# KiCad board Ashwing66_cut.kicad_pcb
title: Ashwing66; date: 2024-05-09; rev: 1; company: James Gzowski
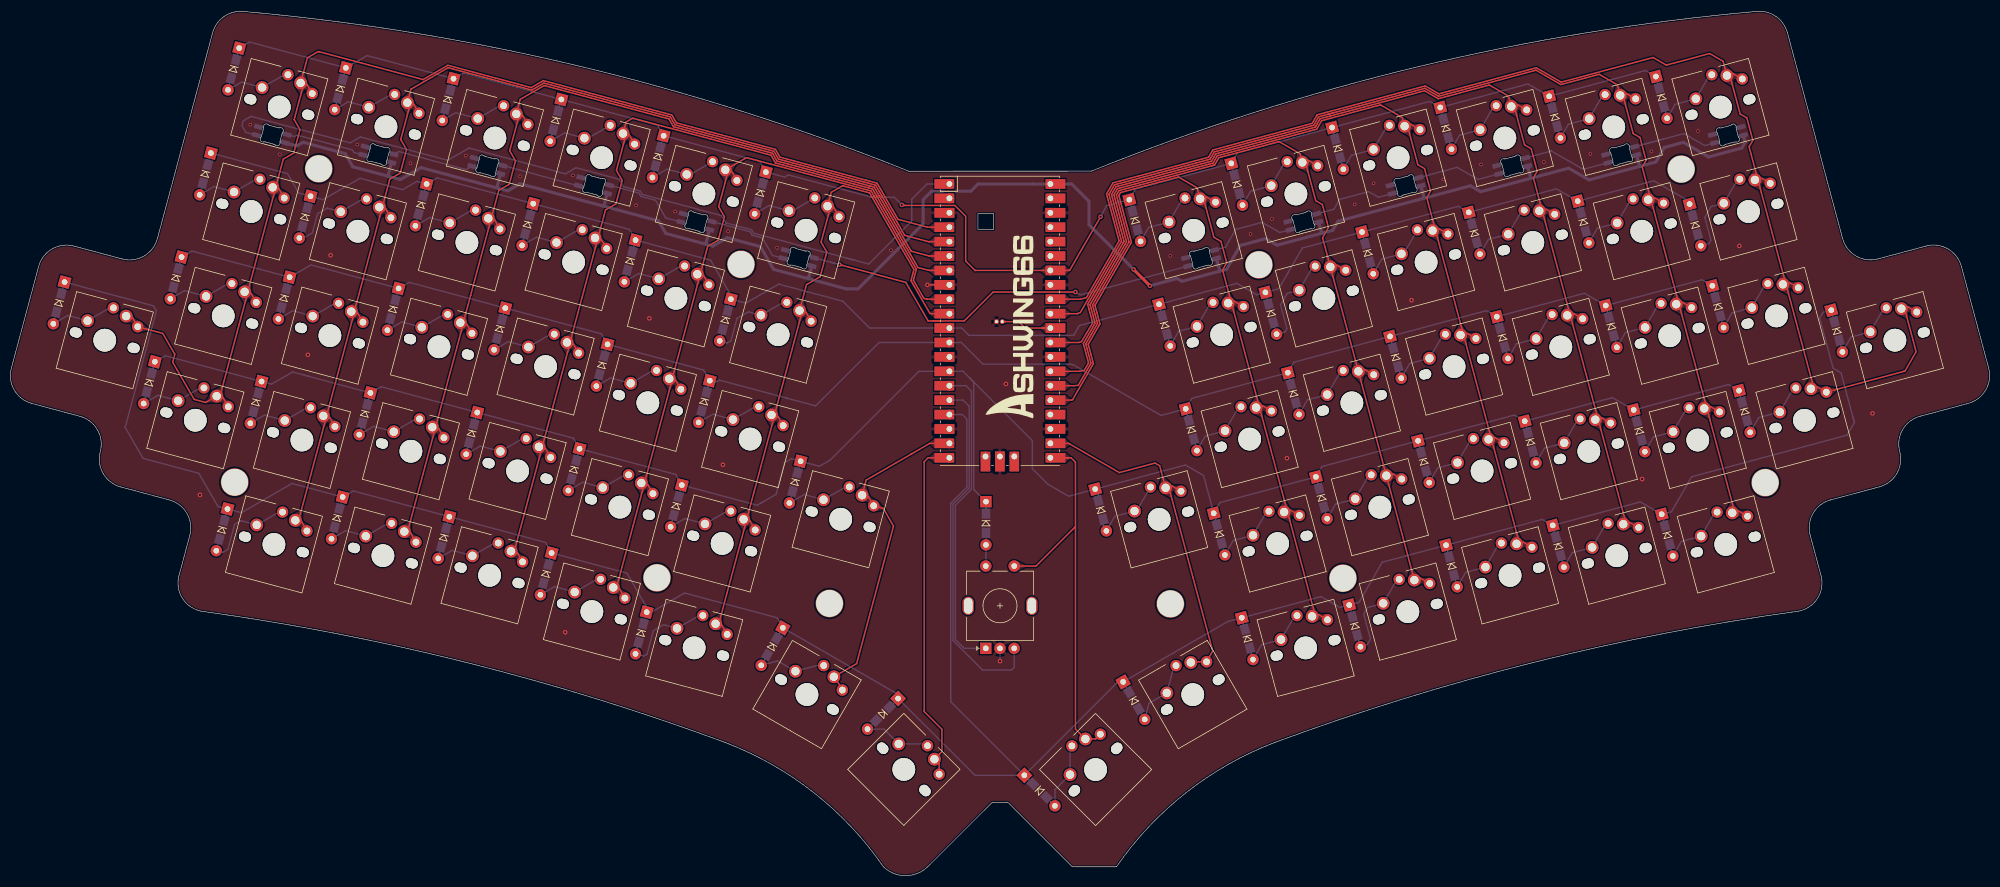
[diagram p0: board, top side]
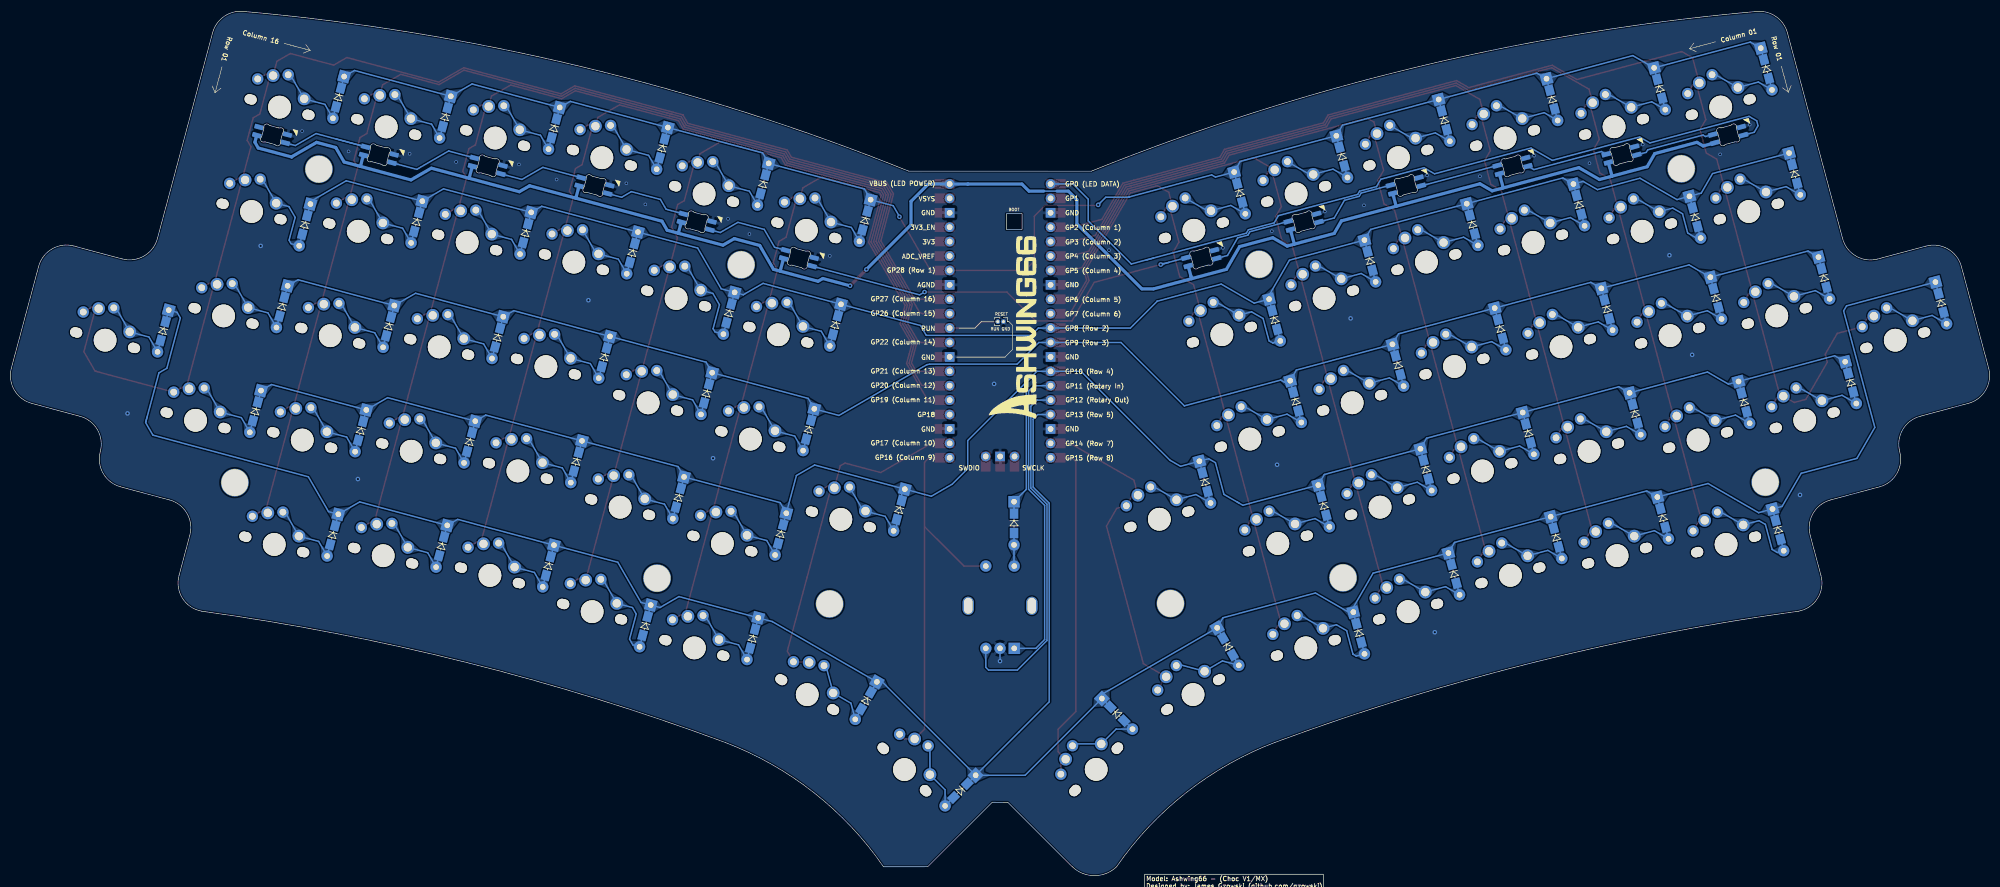
[diagram p1: board, bottom side, seen from below]

Outline 348.26 x 152.34 mm; copper layers: Top, Bottom. Coordinates in mm from the lower left corner of the outline.
Outline path: 170.24,116.68 173.01,116.68 173.01,113.91 170.24,113.91 closed ; 0,89.46 4.8,107.37 arc(7.17,110.46) 11.02,110.97 19.5,108.7 arc(23.36,109.2) 25.73,112.29 35.44,148.55 arc(37.42,151.4) 40.77,152.33 arc(100.45,142.58) 158.05,124.17 190.2,124.18 arc(247.81,142.59) 307.5,152.34 arc(310.84,151.42) 312.82,148.57 322.54,112.3 arc(324.9,109.22) 328.76,108.71 337.24,110.98 arc(341.09,110.47) 343.46,107.39 348.26,89.47 arc(347.76,85.62) 344.67,83.25 336.19,80.97 arc(333.11,78.61) 332.6,74.75 arc(332.09,70.9) 329.01,68.53 320.42,66.23 arc(317.34,63.86) 316.83,60.01 318.74,52.89 arc(318.11,48.87) 314.72,46.61 arc(267.99,37.56) 222.53,23.48 arc(206.92,14.64) 194.65,1.56 186.87,1.57 175.5,12.94 172.76,12.93 161.39,1.56 arc(157.5,0) 153.61,1.55 arc(141.34,14.63) 125.74,23.47 arc(80.27,37.54) 33.54,46.6 arc(30.15,48.86) 29.53,52.88 31.43,60 arc(30.93,63.85) 27.84,66.22 19.25,68.52 arc(16.17,70.89) 15.66,74.74 arc(15.15,78.6) 12.07,80.96 3.59,83.24 arc(0.51,85.6) 0,89.46
Stack: Top 0.035mm / dielectric 1.51mm FR4 er 4.5 / Bottom 0.035mm

## Placement (name value [footprint] x y rotation side)
D0  D  [Diode_THT_SOD123F_FIXED4]  39.15 142.18 255 bottom
D1  D  [Diode_THT_SOD123F_FIXED4]  57.94 138.7 255 bottom
D2  D  [Diode_THT_SOD123F_FIXED4]  76.89 136.79 255 bottom
D3  D  [Diode_THT_SOD123F_FIXED4]  95.89 133.13 255 bottom
D4  D  [Diode_THT_SOD123F_FIXED4]  113.9 126.74 255 bottom
D5  D  [Diode_THT_SOD123F_FIXED4]  131.91 120.34 255 bottom
D6  D  [Diode_THT_SOD123F_FIXED4]  197.9 115.47 285 bottom
D7  D  [Diode_THT_SOD123F_FIXED4]  215.86 121.86 285 bottom
D8  D  [Diode_THT_SOD123F_FIXED4]  233.62 128.19 285 bottom
D9  D  [Diode_THT_SOD123F_FIXED4]  252.66 131.72 285 bottom
D10  D  [Diode_THT_SOD123F_FIXED4]  271.85 133.7 285 bottom
D11  D  [Diode_THT_SOD123F_FIXED4]  290.64 137.18 285 bottom
D16  D  [Diode_THT_SOD123F_FIXED4]  34.16 123.68 255 bottom
D17  D  [Diode_THT_SOD123F_FIXED4]  51.71 116.07 255 bottom
D18  D  [Diode_THT_SOD123F_FIXED4]  72.15 118.23 255 bottom
D19  D  [Diode_THT_SOD123F_FIXED4]  90.94 114.76 255 bottom
D20  D  [Diode_THT_SOD123F_FIXED4]  108.95 108.34 255 bottom
D21  D  [Diode_THT_SOD123F_FIXED4]  125.75 97.94 255 bottom
D22  D  [Diode_THT_SOD123F_FIXED4]  203.12 97.04 285 bottom
D23  D  [Diode_THT_SOD123F_FIXED4]  221.86 99.13 285 bottom
D24  D  [Diode_THT_SOD123F_FIXED4]  238.89 109.76 285 bottom
D25  D  [Diode_THT_SOD123F_FIXED4]  257.68 113.24 285 bottom
D26  D  [Diode_THT_SOD123F_FIXED4]  276.87 115.21 285 bottom
D27  D  [Diode_THT_SOD123F_FIXED4]  296.58 114.69 285 bottom
D32  D  [Diode_THT_SOD123F_FIXED4]  8.38 100.95 255 bottom
D32#2  D  [Diode_THT_SOD123F_FIXED4]  138.03 69.37 255 bottom
D32#3  D  [Diode_THT_SOD123F_FIXED4]  28.99 105.35 255 bottom
D33  D  [Diode_THT_SOD123F_FIXED4]  48.02 101.8 255 bottom
D34  D  [Diode_THT_SOD123F_FIXED4]  67.22 99.83 255 bottom
D35  D  [Diode_THT_SOD123F_FIXED4]  86.01 96.36 255 bottom
D36  D  [Diode_THT_SOD123F_FIXED4]  104.02 89.97 255 bottom
D37  D  [Diode_THT_SOD123F_FIXED4]  122.03 83.56 255 bottom
D38  D  [Diode_THT_SOD123F_FIXED4]  207.83 78.6 285 bottom
D39  D  [Diode_THT_SOD123F_FIXED4]  225.81 84.97 285 bottom
D40  D  [Diode_THT_SOD123F_FIXED4]  243.82 91.36 285 bottom
D41  D  [Diode_THT_SOD123F_FIXED4]  262.61 94.84 285 bottom
D42  D  [Diode_THT_SOD123F_FIXED4]  281.8 96.81 285 bottom
D43  D  [Diode_THT_SOD123F_FIXED4]  300.59 100.29 285 bottom
D44  D  [Diode_THT_SOD123F_FIXED4]  191.88 64.45 285 bottom
D44#2  D  [Diode_THT_SOD123F_FIXED4]  321.53 96 285 bottom
D48  D  [Diode_THT_SOD123F_FIXED4]  24.29 86.9 255 bottom
D49  D  [Diode_THT_SOD123F_FIXED4]  43.08 83.42 255 bottom
D50  D  [Diode_THT_SOD123F_FIXED4]  62.26 81.41 255 bottom
D51  D  [Diode_THT_SOD123F_FIXED4]  81.08 77.96 255 bottom
D52  D  [Diode_THT_SOD123F_FIXED4]  99.09 71.57 255 bottom
D53  D  [Diode_THT_SOD123F_FIXED4]  117.1 65.16 255 bottom
D54  D  [Diode_THT_SOD123F_FIXED4]  212.76 60.2 285 bottom
D55  D  [Diode_THT_SOD123F_FIXED4]  230.76 66.6 285 bottom
D56  D  [Diode_THT_SOD123F_FIXED4]  248.75 72.96 285 bottom
D57  D  [Diode_THT_SOD123F_FIXED4]  267.54 76.43 285 bottom
D58  D  [Diode_THT_SOD123F_FIXED4]  286.73 78.41 285 bottom
D59  D  [Diode_THT_SOD123F_FIXED4]  305.28 81.82 285 bottom
D64  D  [Diode_THT_SOD123F_FIXED4]  37.08 60.95 255 bottom
D65  D  [Diode_THT_SOD123F_FIXED4]  57.37 63.05 255 bottom
D66  D  [Diode_THT_SOD123F_FIXED4]  76.16 59.59 255 bottom
D67  D  [Diode_THT_SOD123F_FIXED4]  94.17 53.19 255 bottom
D68  D  [Diode_THT_SOD123F_FIXED4]  110.92 42.77 255 bottom
D69  D  [Diode_THT_SOD123F_FIXED4]  133.98 40.38 240 bottom
D69#2  D  [Diode_THT_SOD123F_FIXED4]  153.49 28.53 225 bottom
D69#3  D  [Diode_THT_SOD123F_FIXED4]  171.66 62.11 270 bottom
D70  D  [Diode_THT_SOD123F_FIXED4]  197.72 30.85 300 bottom
D70#2  D  [Diode_THT_SOD123F_FIXED4]  181.11 15 315 bottom
D71  D  [Diode_THT_SOD123F_FIXED4]  217.71 41.77 285 bottom
D72  D  [Diode_THT_SOD123F_FIXED4]  236.63 44.02 285 bottom
D73  D  [Diode_THT_SOD123F_FIXED4]  253.68 54.58 285 bottom
D74  D  [Diode_THT_SOD123F_FIXED4]  272.47 58.06 285 bottom
D75  D  [Diode_THT_SOD123F_FIXED4]  291.66 60.02 285 bottom
G***  -  [LOGO]  176.08 96.64 90 top
G***#2  -  [LOGO]  171.64 96.56 90 bottom
K0  Blank  [SW_Cherry_Choc5_MX_1.00u_PCB_LED]  50.96 139.72 345 top
K1  Blank  [SW_Cherry_Choc5_MX_1.00u_PCB_LED_3D2_MX#2]  69.75 136.24 345 top
K2  Blank  [SW_Cherry_Choc5_MX_1.00u_PCB_LED_3D2_MX#2]  88.94 134.26 345 top
K3  Blank  [SW_Cherry_Choc5_MX_1.00u_PCB_LED_3D2_MX#2]  107.73 130.8 345 top
K4  Blank  [SW_Cherry_Choc5_MX_1.00u_PCB_LED_3D2_MX#2]  125.75 124.41 345 top
K5  Blank  [SW_Cherry_Choc5_MX_1.00u_PCB_LED_3D2_MX#2]  143.75 118 345 top
K6  Blank  [SW_Cherry_Choc5_MX_1.00u_PCB_LED_3D2_MX]  209.38 119.31 15 top
K7  Blank  [SW_Cherry_Choc5_MX_1.00u_PCB_LED_3D2_MX]  227.39 125.71 15 top
K8  Blank  [SW_Cherry_Choc5_MX_1.00u_PCB_LED_3D2_MX]  245.39 132.1 15 top
K9  Blank  [SW_Cherry_Choc5_MX_1.00u_PCB_LED_3D2_MX]  264.19 135.57 15 top
K10  Blank  [SW_Cherry_Choc5_MX_1.00u_PCB_LED_3D2_MX]  283.37 137.53 15 top
K11  Blank  [SW_Cherry_Choc5_MX_1.00u_PCB_LED_3D2_MX]  302.17 141.03 15 top
K16  Blank  [SW_Cherry_Choc5_MX_1.00u_PCB]  46.02 121.31 345 top
K17  Blank  [SW_Cherry_Choc5_MX_1.00u_PCB_3D#2]  64.81 117.83 345 top
K18  Blank  [SW_Cherry_Choc5_MX_1.00u_PCB_3D#2]  84 115.86 345 top
K19  Blank  [SW_Cherry_Choc5_MX_1.00u_PCB_3D#2]  102.8 112.4 345 top
K20  Blank  [SW_Cherry_Choc5_MX_1.00u_PCB_3D#2]  120.82 106.01 345 top
K21  Blank  [SW_Cherry_Choc5_MX_1.00u_PCB_3D#2]  138.82 99.6 345 top
K22  Blank  [SW_Cherry_Choc5_MX_1.00u_PCB_3D]  214.31 100.91 15 top
K23  Blank  [SW_Cherry_Choc5_MX_1.00u_PCB_3D]  232.32 107.3 15 top
K24  Blank  [SW_Cherry_Choc5_MX_1.00u_PCB_3D]  250.32 113.7 15 top
K25  Blank  [SW_Cherry_Choc5_MX_1.00u_PCB_3D]  269.12 117.17 15 top
K26  Blank  [SW_Cherry_Choc5_MX_1.00u_PCB_3D]  288.31 119.15 15 top
K27  Blank  [SW_Cherry_Choc5_MX_1.00u_PCB_3D]  307.1 122.63 15 top
K32  Blank  [SW_Cherry_Choc5_MX_1.00u_PCB_3D#2]  41.09 102.91 345 top
K33  Blank  [SW_Cherry_Choc5_MX_1.00u_PCB_3D#2]  59.88 99.43 345 top
K34  Blank  [SW_Cherry_Choc5_MX_1.00u_PCB_3D#2]  79.08 97.47 345 top
K35  Blank  [SW_Cherry_Choc5_MX_1.00u_PCB_3D#2]  97.86 93.99 345 top
K36  Blank  [SW_Cherry_Choc5_MX_1.00u_PCB_3D#2]  115.88 87.6 345 top
K37  Blank  [SW_Cherry_Choc5_MX_1.00u_PCB_3D#2]  133.89 81.2 345 top
K38  Blank  [SW_Cherry_Choc5_MX_1.00u_PCB_3D]  219.24 82.51 15 top
K39  Blank  [SW_Cherry_Choc5_MX_1.00u_PCB_3D]  237.25 88.9 15 top
K40  Blank  [SW_Cherry_Choc5_MX_1.00u_PCB_3D]  255.25 95.29 15 top
K41  Blank  [SW_Cherry_Choc5_MX_1.00u_PCB_3D]  274.05 98.76 15 top
K42  Blank  [SW_Cherry_Choc5_MX_1.00u_PCB_3D]  293.23 100.73 15 top
K43  Blank  [SW_Cherry_Choc5_MX_1.00u_PCB_3D]  312.03 104.23 15 top
K44  Blank  [SW_Cherry_Choc5_MX_1.00u_PCB_3D]  203.3 68.36 15 top
K44#2  Blank  [SW_Cherry_Choc5_MX_1.00u_PCB_3D]  332.89 99.95 15 top
K48  Blank  [SW_Cherry_Choc5_MX_1.00u_PCB_3D#2]  36.16 84.52 345 top
K49  Blank  [SW_Cherry_Choc5_MX_1.00u_PCB_3D#2]  54.94 81.03 345 top
K50  Blank  [SW_Cherry_Choc5_MX_1.00u_PCB_3D#2]  74.14 79.06 345 top
K51  Blank  [SW_Cherry_Choc5_MX_1.00u_PCB_3D#2]  92.93 75.59 345 top
K52  Blank  [SW_Cherry_Choc5_MX_1.00u_PCB_3D#2]  110.96 69.2 345 top
K53  Blank  [SW_Cherry_Choc5_MX_1.00u_PCB_3D#2]  128.96 62.8 345 top
K54  Blank  [SW_Cherry_Choc5_MX_1.00u_PCB_3D]  224.17 64.09 15 top
K55  Blank  [SW_Cherry_Choc5_MX_1.00u_PCB_3D]  242.18 70.51 15 top
K56  Blank  [SW_Cherry_Choc5_MX_1.00u_PCB_3D]  260.18 76.9 15 top
K57  Blank  [SW_Cherry_Choc5_MX_1.00u_PCB_3D]  278.98 80.37 15 top
K58  Blank  [SW_Cherry_Choc5_MX_1.00u_PCB_3D]  298.17 82.34 15 top
K59  Blank  [SW_Cherry_Choc5_MX_1.00u_PCB_3D]  316.96 85.82 15 top
K60  Blank  [SW_Cherry_Choc5_MX_1.00u_PCB_3D#2]  149.84 67.07 345 top
K60#2  Blank  [SW_Cherry_Choc5_MX_1.00u_PCB_3D#2]  20.22 98.63 345 top
K64  Blank  [SW_Cherry_Choc5_MX_1.00u_PCB_3D#2]  50.01 62.63 345 top
K65  Blank  [SW_Cherry_Choc5_MX_1.00u_PCB_3D#2]  69.21 60.65 345 top
K66  Blank  [SW_Cherry_Choc5_MX_1.00u_PCB_3D#2]  88 57.19 345 top
K67  Blank  [SW_Cherry_Choc5_MX_1.00u_PCB_3D#2]  106.02 50.79 345 top
K68  Blank  [SW_Cherry_Choc5_MX_1.00u_PCB_3D#2]  124.03 44.4 345 top
K69  Blank  [SW_Cherry_Choc5_MX_1.00u_PCB_3D]  162.58 20.53 315 top
K69#2  Blank  [SW_Cherry_Choc5_MX_1.00u_PCB_3D]  144.87 35.05 330 top
K70  Blank  [SW_Cherry_Choc5_MX_1.00u_PCB_3D]  189.17 24.09 45 top
K70#2  Blank  [SW_Cherry_Choc5_MX_1.00u_PCB_3D]  207.74 37.58 30 top
K71  Blank  [SW_Cherry_Choc5_MX_1.00u_PCB_3D]  229.1 45.71 15 top
K72  Blank  [SW_Cherry_Choc5_MX_1.00u_PCB_3D]  247.11 52.1 15 top
K73  Blank  [SW_Cherry_Choc5_MX_1.00u_PCB_3D]  265.11 58.48 15 top
K74  Blank  [SW_Cherry_Choc5_MX_1.00u_PCB_3D]  283.91 61.96 15 top
K75  Blank  [SW_Cherry_Choc5_MX_1.00u_PCB_3D]  303.1 63.94 15 top
pico  -  [RPi_Pico_SMD_TH]  174.11 97.79 0 top
RESET  -  [PinHeader_1x02_P1.00mm_Vertical]  173.52 97.65 270 bottom
RotEnc  -  [RotaryEncoder_EC11]  174.13 47.57 90 top
TH3  HOLE  [HOLE_M2_TH]  144.1 47.98 0 top
TH3#2  HOLE  [HOLE_M2_TH]  113.71 52.5 0 top
TH3#3  HOLE  [HOLE_M2_TH]  128.51 107.75 0 top
TH3#4  HOLE  [HOLE_M2_TH]  54.14 124.6 0 top
TH3#5  HOLE  [HOLE_M2_TH]  39.34 69.35 0 top
TH3#6  HOLE  [HOLE_M2_TH]  308.91 69.28 180 bottom
TH3#7  HOLE  [HOLE_M2_TH]  219.73 107.68 180 bottom
TH3#8  HOLE  [HOLE_M2_TH]  294.1 124.53 180 bottom
TH3#9  HOLE  [HOLE_M2_TH]  204.14 47.91 180 bottom
TH3#10  HOLE  [HOLE_M2_TH]  234.53 52.43 180 bottom

## Library data of the parts
D0-D11 D16-D27 D32#3 D33-D43 D44#2 D48-D59 D64-D75 = -: ki_fp_filters: TO-???* *_Diode_* *SingleDiode* D_*
K0-K11 K69 K69#2 K70 K70#2 = -: Field4: 1

## Footprints (pads in the part's own frame, mm; a bottom-side part is the same pattern mirrored in y, then rotated)
Diode_THT_SOD123F_FIXED4
  rect 2x2 hole 1: 1(-3.81,0)
  rect 1.8x1.5 smd: 1(-1.7,0) 2(1.7,0)
  round 1.999 hole 1: 2(3.81,0)
HOLE_M2_TH
  round 4.9 hole 4.7: (0,0)
PinHeader_1x02_P1.00mm_Vertical
  round 0.85 hole 0.5: 1(0,0) 2(0,-1)
RotaryEncoder_EC11
  oval 3.2x2 hole 2.8x1.5 unplated: (0,5.6) (0,-5.6)
  rect 2x2 hole 1: A(-7.5,2.5)
  round 2 hole 1: B(-7.5,-2.5) C(-7.5,0) ROTIN(7,2.5) S1(7,-2.5)
RPi_Pico_SMD_TH
  oval 1.7x1.7 hole 1.02: 1(-8.89,24.13) 2(-8.89,21.59) 4(-8.89,16.51) 5(-8.89,13.97) 6(-8.89,11.43) 7(-8.89,8.89) 9(-8.89,3.81) 10(-8.89,1.27) 11(-8.89,-1.27) 12(-8.89,-3.81) 14(-8.89,-8.89) 15(-8.89,-11.43) 16(-8.89,-13.97) 17(-8.89,-16.51) 19(-8.89,-21.59) 20(-8.89,-24.13) 21(8.89,-24.13) 22(8.89,-21.59) 24(8.89,-16.51) 25(8.89,-13.97) 26(8.89,-11.43) 27(8.89,-8.89) 29(8.89,-3.81) 30(8.89,-1.27) 31(8.89,1.27) 32(8.89,3.81) 34(8.89,8.89) 35(8.89,11.43) 36(8.89,13.97) 37(8.89,16.51) 39(8.89,21.59) 40(8.89,24.13) 41(-2.54,-23.9) 43(2.54,-23.9)
  rect 3.5x1.7 smd: 1(-8.89,24.13) 2(-8.89,21.59) 3(-8.89,19.05) 4(-8.89,16.51) 5(-8.89,13.97) 6(-8.89,11.43) 7(-8.89,8.89) 8(-8.89,6.35) 9(-8.89,3.81) 10(-8.89,1.27) 11(-8.89,-1.27) 12(-8.89,-3.81) 13(-8.89,-6.35) 14(-8.89,-8.89) 15(-8.89,-11.43) 16(-8.89,-13.97) 17(-8.89,-16.51) 18(-8.89,-19.05) 19(-8.89,-21.59) 20(-8.89,-24.13) 21(8.89,-24.13) 22(8.89,-21.59) 23(8.89,-19.05) 24(8.89,-16.51) 25(8.89,-13.97) 26(8.89,-11.43) 27(8.89,-8.89) 28(8.89,-6.35) 29(8.89,-3.81) 30(8.89,-1.27) 31(8.89,1.27) 32(8.89,3.81) 33(8.89,6.35) 34(8.89,8.89) 35(8.89,11.43) 36(8.89,13.97) 37(8.89,16.51) 38(8.89,19.05) 39(8.89,21.59) 40(8.89,24.13)
  rect 1.7x1.7 hole 1.02: 3(-8.89,19.05) 8(-8.89,6.35) 13(-8.89,-6.35) 18(-8.89,-19.05) 23(8.89,-19.05) 28(8.89,-6.35) 33(8.89,6.35) 38(8.89,19.05) 42(0,-23.9)
  rect 1.7x3.5 smd: 41(-2.54,-23.9) 42(0,-23.9) 43(2.54,-23.9)
SW_Cherry_Choc5_MX_1.00u_PCB
  round 1.7 hole 1.7 unplated: (-8.04,-5.08) (2.96,-5.08)
  round 1.75 hole 1.75 unplated: (-7.62,-5.08) (2.54,-5.08)
  round 4 hole 4 unplated: (-2.54,-5.08)
  round 2.25 hole 1.47: 1(0,0)
  round 2 hole 1.2: 1(2.46,-1.28) 2(-2.54,0.82)
  oval 2.25x2.25 hole 1.47: 2(-6.35,-2.54)
SW_Cherry_Choc5_MX_1.00u_PCB_3D
  round 1.7 hole 1.7 unplated: (-8.04,-5.08) (2.96,-5.08)
  round 1.75 hole 1.75 unplated: (-7.62,-5.08) (2.54,-5.08)
  round 4 hole 4 unplated: (-2.54,-5.08)
  round 2.25 hole 1.47: 1(0,0)
  round 2 hole 1.2: 1(2.46,-1.28) 2(-2.54,0.82)
  oval 2.25x2.25 hole 1.47: 2(-6.35,-2.54)
SW_Cherry_Choc5_MX_1.00u_PCB_3D#2
  round 1.7 hole 1.7 unplated: (-8.04,-5.08) (2.96,-5.08)
  round 1.75 hole 1.75 unplated: (-7.62,-5.08) (2.54,-5.08)
  round 4 hole 4 unplated: (-2.54,-5.08)
  round 2.25 hole 1.47: 1(0,0)
  round 2 hole 1.2: 1(2.46,-1.28) 2(-2.54,0.82)
  oval 2.25x2.25 hole 1.47: 2(-6.35,-2.54)
SW_Cherry_Choc5_MX_1.00u_PCB_LED
  round 1.7 hole 1.7 unplated: (-8.04,-5.08) (2.96,-5.08)
  round 1.75 hole 1.75 unplated: (-7.62,-5.08) (2.54,-5.08)
  round 4 hole 4 unplated: (-2.54,-5.08)
  round 2.25 hole 1.47: 1(0,0)
  rrect 1.6x0.82 smd far side: 1(0.055,-10.905) 2(0.055,-9.405) 3(-5.145,-9.405) 4(-5.145,-10.905)
  round 2 hole 1.2: 1(2.46,-1.28) 2(-2.54,0.82)
  oval 2.25x2.25 hole 1.47: 2(-6.35,-2.54)
SW_Cherry_Choc5_MX_1.00u_PCB_LED_3D2_MX
  round 1.7 hole 1.7 unplated: (-8.04,-5.08) (2.96,-5.08)
  round 1.75 hole 1.75 unplated: (-7.62,-5.08) (2.54,-5.08)
  round 4 hole 4 unplated: (-2.54,-5.08)
  round 2.25 hole 1.47: 1(0,0)
  rrect 1.6x0.82 smd far side: 1(0.055,-10.905) 2(0.055,-9.405) 3(-5.145,-9.405) 4(-5.145,-10.905)
  round 2 hole 1.2: 1(2.46,-1.28) 2(-2.54,0.82)
  oval 2.25x2.25 hole 1.47: 2(-6.35,-2.54)
SW_Cherry_Choc5_MX_1.00u_PCB_LED_3D2_MX#2
  round 1.7 hole 1.7 unplated: (-8.04,-5.08) (2.96,-5.08)
  round 1.75 hole 1.75 unplated: (-7.62,-5.08) (2.54,-5.08)
  round 4 hole 4 unplated: (-2.54,-5.08)
  round 2.25 hole 1.47: 1(0,0)
  rrect 1.6x0.82 smd far side: 1(0.055,-10.905) 2(0.055,-9.405) 3(-5.145,-9.405) 4(-5.145,-10.905)
  round 2 hole 1.2: 1(2.46,-1.28) 2(-2.54,0.82)
  oval 2.25x2.25 hole 1.47: 2(-6.35,-2.54)

## Nets
3V3: pico.36
3V3EN: pico.37
GND: K0.3 K1.3 K2.3 K3.3 K4.3 K5.3 K6.3 K7.3 K8.3 K9.3 K10.3 K11.3 pico.3 pico.8 pico.13 pico.18 pico.23 pico.28 pico.33 pico.38 pico.42 RESET.1 RotEnc.C
VBUS: pico.40
Col_0: K16.1 K32.1 K48.1 K60#2.1 pico.4
Col_0|VBUS: K0.1
Col_1: K17.1 K33.1 K49.1 K64.1 pico.5
Col_1|VBUS: K1.1
Col_2: K18.1 K34.1 K50.1 K65.1 pico.6
Col_2|VBUS: K2.1
Col_3: K19.1 K35.1 K51.1 K66.1 pico.7
Col_3|VBUS: K3.1
Col_4: K20.1 K36.1 K52.1 K67.1 pico.9
Col_4|VBUS: K4.1
Col_5: K21.1 K37.1 K53.1 K68.1 pico.10
Col_5|VBUS: K5.1
Col_6: K60.1 K69#2.1 pico.19
Col_7: K69.1 pico.20
Col_8: K70.1 pico.21 RotEnc.S1
Col_9: K44.1 K70#2.1 pico.22
Col_10: K22.1 K38.1 K54.1 K71.1 pico.25
Col_10|VBUS: K6.1
Col_11: K23.1 K39.1 K55.1 K72.1 pico.26
Col_11|VBUS: K7.1
Col_12: K24.1 K40.1 K56.1 K73.1 pico.27
Col_12|VBUS: K8.1
Col_13: K25.1 K41.1 K57.1 K74.1 pico.29
Col_13|VBUS: K9.1
Col_14: K26.1 K42.1 K58.1 K75.1 pico.31
Col_14|VBUS: K10.1
Col_15: K27.1 K43.1 K44#2.1 K59.1 pico.32
Col_15|VBUS: K11.1
LED1: K0.4 pico.1
LED2: K1.4
LED2|Net-(D0-A): K0.2
LED3: K2.4
LED3|Net-(D1-A): K1.2
LED4: K3.4
LED4|Net-(D2-A): K2.2
LED5: K4.4
LED5|Net-(D3-A): K3.2
LED6: K5.4
LED6|Net-(D4-A): K4.2
LED7: K6.4
LED7|Net-(D5-A): K5.2
LED8: K7.4
LED8|Net-(D6-A): K6.2
LED9: K8.4
LED9|Net-(D7-A): K7.2
LED10: K9.4
LED10|Net-(D8-A): K8.2
LED11: K10.4
LED11|Net-(D9-A): K9.2
LED12: K11.4
LED12|Net-(D10-A): K10.2
NET-(DEXT-A): D69#2.2 K69.2
ROT_BUT: D69#3.2 RotEnc.ROTIN
ROT_IN: pico.15 RotEnc.A
ROT_OUT: pico.16 RotEnc.B
Row_0: D0.1 D1.1 D2.1 D3.1 D4.1 D5.1 D6.1 D7.1 D8.1 D9.1 D10.1 D11.1 pico.34
Row_1: D16.1 D17.1 D18.1 D19.1 D20.1 D21.1 D22.1 D23.1 D24.1 D25.1 D26.1 D27.1 pico.11
Row_2: D32#3.1 D33.1 D34.1 D35.1 D36.1 D37.1 D38.1 D39.1 D40.1 D41.1 D42.1 D43.1 pico.12
Row_3: D32#2.1 D44.1 D48.1 D49.1 D50.1 D51.1 D52.1 D53.1 D54.1 D55.1 D56.1 D57.1 D58.1 D59.1 D69#3.1 pico.14
Row_4: D32.1 D44#2.1 D64.1 D65.1 D66.1 D67.1 D68.1 D69.1 D69#2.1 D70.1 D70#2.1 D71.1 D72.1 D73.1 D74.1 D75.1 pico.17
RUN: pico.30 RESET.2
VSYS: pico.39
Net-(D0-A): D0.2
Net-(D1-A): D1.2
Net-(D2-A): D2.2
Net-(D3-A): D3.2
Net-(D4-A): D4.2
Net-(D5-A): D5.2
Net-(D6-A): D6.2
Net-(D7-A): D7.2
Net-(D8-A): D8.2
Net-(D9-A): D9.2
Net-(D10-A): D10.2
Net-(D11-A): D11.2 K11.2
Net-(D16-A): D16.2 K16.2
Net-(D17-A): D17.2 K17.2
Net-(D18-A): D18.2 K18.2
Net-(D19-A): D19.2 K19.2
Net-(D20-A): D20.2 K20.2
Net-(D21-A): D21.2 K21.2
Net-(D22-A): D22.2 K22.2
Net-(D23-A): D23.2 K23.2
Net-(D24-A): D24.2 K24.2
Net-(D25-A): D25.2 K25.2
Net-(D26-A): D26.2 K26.2
Net-(D27-A): D27.2 K27.2
Net-(D32-A): D32#3.2 K32.2
Net-(D33-A): D33.2 K33.2
Net-(D34-A): D34.2 K34.2
Net-(D35-A): D35.2 K35.2
Net-(D36-A): D36.2 K36.2
Net-(D37-A): D37.2 K37.2
Net-(D38-A): D38.2 K38.2
Net-(D39-A): D39.2 K39.2
Net-(D40-A): D40.2 K40.2
Net-(D41-A): D41.2 K41.2
Net-(D42-A): D42.2 K42.2
Net-(D43-A): D43.2 K43.2
Net-(D44-A): D44.2 D44#2.2 K44.2 K44#2.2
Net-(D48-A): D48.2 K48.2
Net-(D49-A): D49.2 K49.2
Net-(D50-A): D50.2 K50.2
Net-(D51-A): D51.2 K51.2
Net-(D52-A): D52.2 K52.2
Net-(D53-A): D53.2 K53.2
Net-(D54-A): D54.2 K54.2
Net-(D55-A): D55.2 K55.2
Net-(D56-A): D56.2 K56.2
Net-(D57-A): D57.2 K57.2
Net-(D58-A): D58.2 K58.2
Net-(D59-A): D59.2 K59.2
Net-(D60-A): D32.2 D32#2.2 K60.2 K60#2.2
Net-(D61-A): D70#2.2 K70.2
Net-(D64-A): D64.2 K64.2
Net-(D65-A): D65.2 K65.2
Net-(D66-A): D66.2 K66.2
Net-(D67-A): D67.2 K67.2
Net-(D68-A): D68.2 K68.2
Net-(D69-A): D69.2 K69#2.2
Net-(D70-A): D70.2 K70#2.2
Net-(D71-A): D71.2 K71.2
Net-(D72-A): D72.2 K72.2
Net-(D73-A): D73.2 K73.2
Net-(D74-A): D74.2 K74.2
Net-(D75-A): D75.2 K75.2

Pads without a net: pico 2 24 35 41 43

## Via types
v1: diameter 0.6, hole 0.4, Top to Bottom, 23 vias
v2: diameter 0.8, hole 0.4, Top to Bottom, 20 vias
